# Altium PCB Board.PcbDoc (part 8 of 15)
Units mil, origin at the board's own origin, x right, y up, seen from the top; angles counter-clockwise.
Board outline 6379.64 x 4143.89 mil, 4 copper layers (Top Layer, GND, VCC, Bottom Layer); 316 components, 199 nets, 1077 pads, 596 vias.
Unrouted connection lines stored in the file: 268.
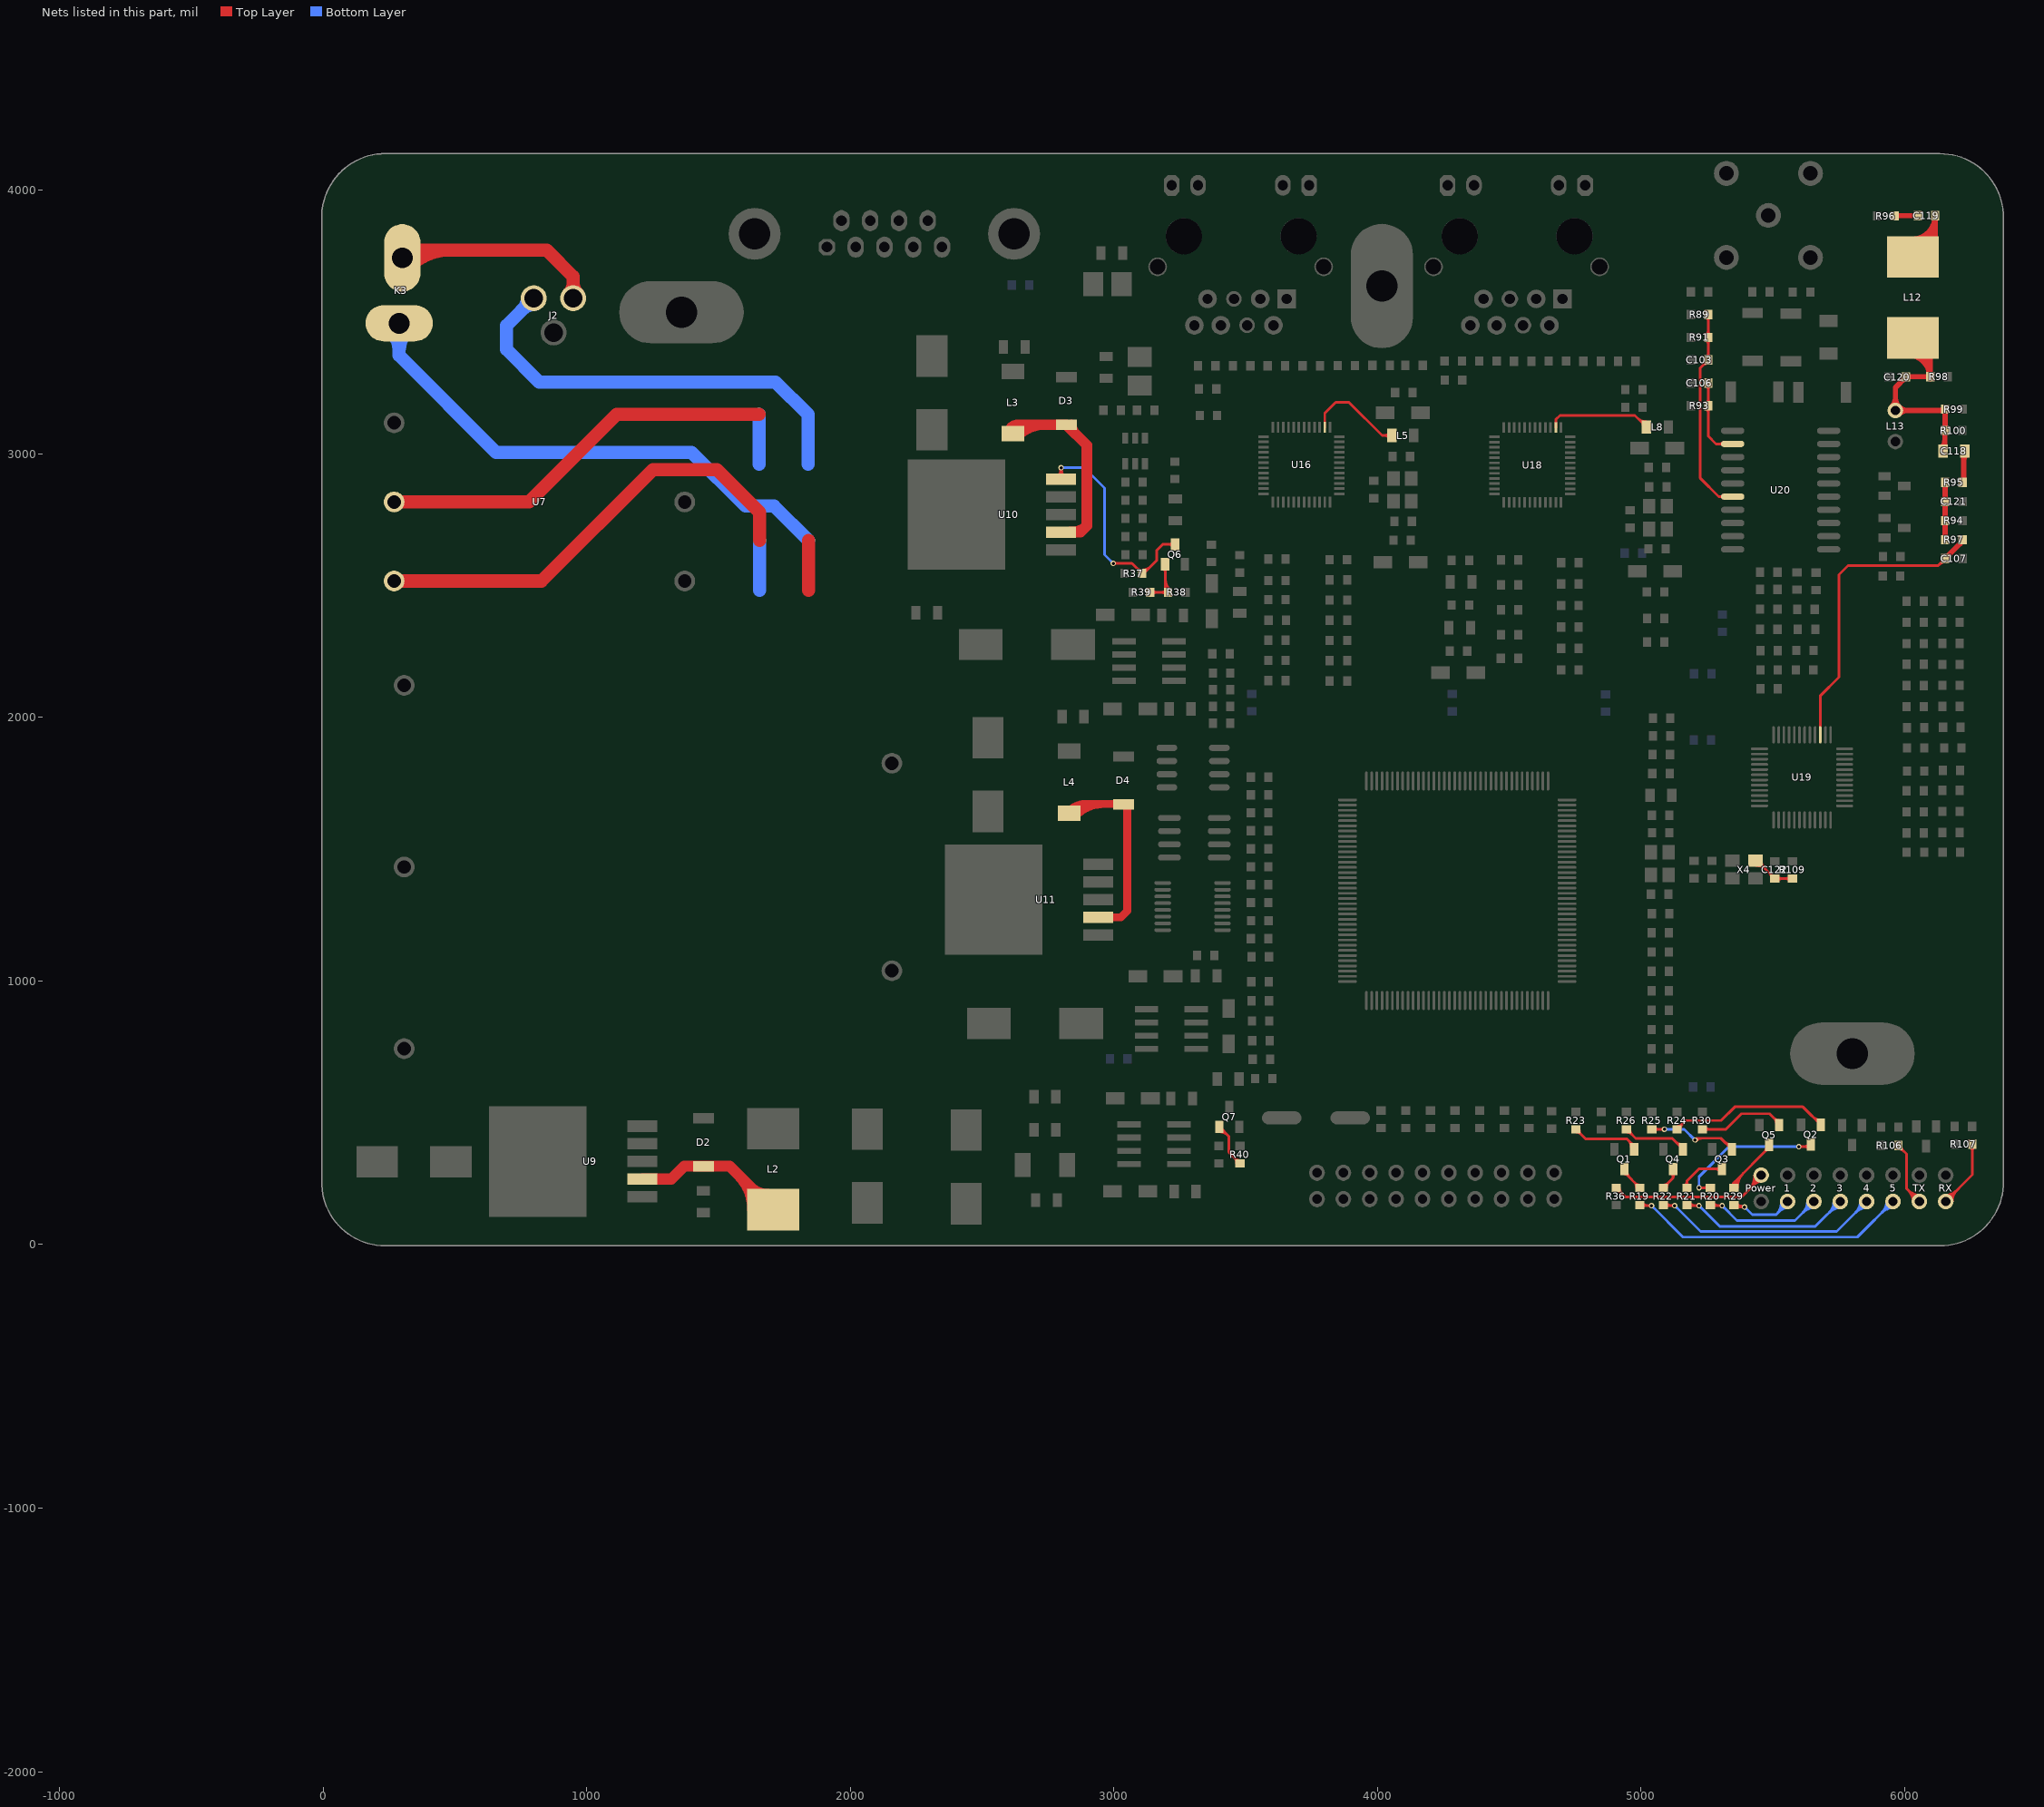
[diagram p9: the nets of this part, all layers, seen from the top]

## Via types
v1: diameter 20, hole 12, Top Layer to Bottom Layer, 590 vias
v2: diameter 30, hole 17, Top Layer to Bottom Layer, 6 vias

## Nets (pads, with @x,y where several pads share a name; then routed paths per layer and width w, separated by ;. In a path a pad name is that pad's centre, name@x,y a point inside that pad or via, vN(x,y) a via of type N, cw(c..) or ccw(c..) an arc to the next point about the centre after c; other vN are vias at no path point) (continued)
NetC103_1: C103.1 R89.1 R91.2 U20.5 | length 1474.3
  Top Layer w10: R89.1@5254.6,3528.61 C103.1@5254.6,3355.81 5224.6,3325.81 5224.6,2907.45 5294.6,2837.45 U20.5@5347.43,2837.45 ; 5232.89,3334.1 cw(c5254.6,3312.39) C103.1@5254.6,3343.09 ; 5232.89,3334.1 cw(c5254.6,3312.39) C103.1@5254.6,3343.09 ; 5232.89,3334.1 cw(c5254.6,3312.39) C103.1@5254.6,3343.09 ; 5237.64,3338.85 ccw(c5222.65,3353.84) C103.1@5243.85,3353.84 ; 5237.64,3338.85 ccw(c5222.65,3353.84) C103.1@5243.85,3353.84 ; 5237.64,3338.85 ccw(c5222.65,3353.84) C103.1@5243.85,3353.84 ; C103.1@5247,3365.38 ccw(c5228.65,3383.72) 5254.6,3383.72 ; C103.1@5247,3365.38 ccw(c5228.65,3383.72) 5254.6,3383.72 ; C103.1@5247,3365.38 ccw(c5228.65,3383.72) 5254.6,3383.72 ; R89.1@5247,3519.04 cw(c5228.65,3500.69) 5254.6,3500.69 ; R89.1@5247,3519.04 cw(c5228.65,3500.69) 5254.6,3500.69 ; R89.1@5247,3519.04 cw(c5228.65,3500.69) 5254.6,3500.69 ; R91.2@5247.15,3432.08 cw(c5229.16,3414.09) 5254.6,3414.09 ; R91.2@5247.15,3432.08 cw(c5229.16,3414.09) 5254.6,3414.09 ; R91.2@5247.15,3432.08 cw(c5229.16,3414.09) 5254.6,3414.09 ; R91.2@5247.15,3451.22 ccw(c5229.16,3469.2) 5254.6,3469.2 ; R91.2@5247.15,3451.22 ccw(c5229.16,3469.2) 5254.6,3469.2 ; R91.2@5247.15,3451.22 ccw(c5229.16,3469.2) 5254.6,3469.2 ; 5254.6,3383.72 ccw(c5280.55,3383.72) C103.1@5262.2,3365.38 ; 5254.6,3383.72 ccw(c5280.55,3383.72) C103.1@5262.2,3365.38 ; 5254.6,3383.72 ccw(c5280.55,3383.72) C103.1@5262.2,3365.38 ; 5254.6,3413.37 cw(c5281.06,3413.37) R91.2@5262.35,3432.08 ; 5254.6,3413.37 cw(c5281.06,3413.37) R91.2@5262.35,3432.08 ; 5254.6,3413.37 cw(c5281.06,3413.37) R91.2@5262.35,3432.08 ; 5254.6,3469.93 ccw(c5281.06,3469.93) R91.2@5262.35,3451.22 ; 5254.6,3469.93 ccw(c5281.06,3469.93) R91.2@5262.35,3451.22 ; 5254.6,3469.93 ccw(c5281.06,3469.93) R91.2@5262.35,3451.22 ; 5254.6,3500.69 cw(c5280.55,3500.69) R89.1@5262.2,3519.04 ; 5254.6,3500.69 cw(c5280.55,3500.69) R89.1@5262.2,3519.04 ; 5254.6,3500.69 cw(c5280.55,3500.69) R89.1@5262.2,3519.04 ; 5298.5,2837.45 cw(c5298.5,2821.01) U20.5@5310.13,2832.63 ; 5298.5,2837.45 ccw(c5298.5,2853.89) U20.5@5310.13,2842.26 ; 5298.5,2837.45 cw(c5298.5,2821.01) U20.5@5310.13,2832.63 ; 5298.5,2837.45 ccw(c5298.5,2853.89) U20.5@5310.13,2842.26 ; 5298.5,2837.45 ccw(c5298.5,2853.89) U20.5@5310.13,2842.26 ; 5298.5,2837.45 cw(c5298.5,2821.01) U20.5@5310.13,2832.63
NetC106_2: C106.2 R93.2 U20.9 | length 750.9
  Top Layer w10: C106.2@5254.75,3268.85 R93.2@5254.75,3182.45 5254.75,3067.3 5284.6,3037.45 U20.9@5347.43,3037.45 ; R93.2@5247.15,3172.88 cw(c5228.8,3154.53) 5254.75,3154.53 ; R93.2@5247.15,3172.88 cw(c5228.8,3154.53) 5254.75,3154.53 ; R93.2@5247.15,3172.88 cw(c5228.8,3154.53) 5254.75,3154.53 ; R93.2@5247.15,3192.02 ccw(c5228.8,3210.37) 5254.75,3210.37 ; R93.2@5247.15,3192.02 ccw(c5228.8,3210.37) 5254.75,3210.37 ; R93.2@5247.15,3192.02 ccw(c5228.8,3210.37) 5254.75,3210.37 ; C106.2@5247.15,3259.28 cw(c5228.8,3240.93) 5254.75,3240.93 ; C106.2@5247.15,3259.28 cw(c5228.8,3240.93) 5254.75,3240.93 ; C106.2@5247.15,3259.28 cw(c5228.8,3240.93) 5254.75,3240.93 ; 5254.75,3154.53 cw(c5280.7,3154.53) R93.2@5262.35,3172.88 ; 5254.75,3154.53 cw(c5280.7,3154.53) R93.2@5262.35,3172.88 ; 5254.75,3154.53 cw(c5280.7,3154.53) R93.2@5262.35,3172.88 ; 5254.75,3210.37 ccw(c5280.7,3210.37) R93.2@5262.35,3192.02 ; 5254.75,3210.37 ccw(c5280.7,3210.37) R93.2@5262.35,3192.02 ; 5254.75,3210.37 ccw(c5280.7,3210.37) R93.2@5262.35,3192.02 ; 5254.75,3240.93 cw(c5280.7,3240.93) C106.2@5262.35,3259.28 ; 5254.75,3240.93 cw(c5280.7,3240.93) C106.2@5262.35,3259.28 ; 5254.75,3240.93 cw(c5280.7,3240.93) C106.2@5262.35,3259.28 ; 5298.5,3037.45 cw(c5298.5,3021.01) U20.9@5310.13,3032.63 ; 5298.5,3037.45 ccw(c5298.5,3053.89) U20.9@5310.13,3042.26 ; 5298.5,3037.45 cw(c5298.5,3021.01) U20.9@5310.13,3032.63 ; 5298.5,3037.45 ccw(c5298.5,3053.89) U20.9@5310.13,3042.26 ; 5298.5,3037.45 ccw(c5298.5,3053.89) U20.9@5310.13,3042.26 ; 5298.5,3037.45 cw(c5298.5,3021.01) U20.9@5310.13,3032.63
NetC107_2: C107.2 R97.2 U19.3 | length 1383.6
  Top Layer w10: U19.3@5679.5,1933.87 5679.5,2081.35 5750.6,2152.45 5750.6,2541.45 5784.6,2575.45 6126.6,2575.45 C107.2@6153.6,2602.45 ; 6131.89,2580.74 cw(c6153.6,2559.03) C107.2@6153.6,2589.73 ; 6131.89,2580.74 cw(c6153.6,2559.03) C107.2@6153.6,2589.73 ; 6131.89,2580.74 cw(c6153.6,2559.03) C107.2@6153.6,2589.73 ; 6136.64,2585.49 ccw(c6121.65,2600.48) C107.2@6142.85,2600.48 ; 6136.64,2585.49 ccw(c6121.65,2600.48) C107.2@6142.85,2600.48 ; 6136.64,2585.49 ccw(c6121.65,2600.48) C107.2@6142.85,2600.48
  Top Layer w20: C107.2@6153.6,2602.45 6219.75,2668.6 R97.2@6219.75,2674.14 ; C107.2@6153.6,2610.17 ccw(c6153.6,2628.79) C107.2@6166.77,2615.62 ; C107.2@6153.6,2610.17 ccw(c6153.6,2628.79) C107.2@6166.77,2615.62 ; C107.2@6153.6,2610.17 ccw(c6153.6,2628.79) C107.2@6166.77,2615.62 ; 6207.41,2656.26 ccw(c6191.5,2672.17) R97.2@6214,2672.17 ; 6207.41,2656.26 ccw(c6191.5,2672.17) R97.2@6214,2672.17 ; 6207.41,2656.26 ccw(c6191.5,2672.17) R97.2@6214,2672.17
NetC118_1: C118.1 C120.1 L12.1 L13.2 R98.2 R99.2 R100.2 | length 2752.9
  Top Layer w20: L12.1@6030.6,3439.45 6097.6,3372.45 R98.2@6097.6,3292.45 6005.6,3292.45 C120.1@6004.6,3291.45 5964.6,3251.45 L13.2@5964.6,3164.56 6148.71,3164.56 R99.2@6153.6,3169.45 6153.6,3089.45 R100.2@6152.6,3088.45 6152.6,3017.45 C118.1@6145.6,3010.45 ; 6090.14,3312.86 ccw(c6111.56,3318.6) R98.2@6100.47,3299.4 ; L13.2@5950.79,3178.37 ccw(c5917.45,3211.7) 5964.6,3211.7 ; L13.2@5950.79,3178.37 ccw(c5917.45,3211.7) 5964.6,3211.7 ; L13.2@5950.79,3178.37 ccw(c5917.45,3211.7) 5964.6,3211.7 ; 5964.6,3211.7 ccw(c6011.74,3211.7) L13.2@5978.41,3178.37 ; 5964.6,3211.7 ccw(c6011.74,3211.7) L13.2@5978.41,3178.37 ; 5964.6,3211.7 ccw(c6011.74,3211.7) L13.2@5978.41,3178.37 ; L13.2@5978.41,3150.75 cw(c6011.74,3117.42) 6011.74,3164.56 ; L13.2@5978.41,3150.75 cw(c6011.74,3117.42) 6011.74,3164.56 ; L13.2@5978.41,3150.75 cw(c6011.74,3117.42) 6011.74,3164.56 ; L13.2@5978.41,3178.37 ccw(c6011.74,3211.7) 6011.74,3164.56 ; L13.2@5978.41,3178.37 ccw(c6011.74,3211.7) 6011.74,3164.56 ; L13.2@5978.41,3178.37 ccw(c6011.74,3211.7) 6011.74,3164.56 ; C120.1@5991.43,3278.28 cw(c6004.6,3265.1) C120.1@6004.6,3283.73 ; C120.1@5991.43,3278.28 cw(c6004.6,3265.1) C120.1@6004.6,3283.73 ; C120.1@5991.43,3278.28 cw(c6004.6,3265.1) C120.1@6004.6,3283.73 ; C120.1@6008.66,3297.48 ccw(c6020.81,3309.63) 6020.81,3292.45 ; C120.1@6008.66,3297.48 ccw(c6020.81,3309.63) 6020.81,3292.45 ; C120.1@6008.66,3297.48 ccw(c6020.81,3309.63) 6020.81,3292.45 ; L12.1@6031.17,3373.42 cw(c6005.57,3285.03) R98.2@6097.6,3285.03 ; L12.1@6031.17,3373.42 cw(c6005.57,3285.03) R98.2@6097.6,3285.03 ; L12.1@6031.17,3373.42 cw(c6005.57,3285.03) R98.2@6097.6,3285.03 ; L12.1@6036.73,3392.63 cw(c6013.28,3311.64) 6097.6,3311.64 ; L12.1@6036.73,3392.63 cw(c6013.28,3311.64) 6097.6,3311.64 ; L12.1@6036.73,3392.63 cw(c6013.28,3311.64) 6097.6,3311.64 ; L12.1@6042.29,3411.84 cw(c6020.98,3338.25) 6097.6,3338.25 ; L12.1@6042.29,3411.84 cw(c6020.98,3338.25) 6097.6,3338.25 ; L12.1@6042.29,3411.84 cw(c6020.98,3338.25) 6097.6,3338.25 ; L12.1@6047.85,3431.05 cw(c6028.69,3364.86) L12.1@6097.6,3364.86 ; L12.1@6047.85,3431.05 cw(c6028.69,3364.86) L12.1@6097.6,3364.86 ; L12.1@6047.85,3431.05 cw(c6028.69,3364.86) L12.1@6097.6,3364.86 ; 6132.67,3164.56 ccw(c6132.67,3188.41) R99.2@6149.53,3171.54 ; 6132.67,3164.56 ccw(c6132.67,3188.41) R99.2@6149.53,3171.54 ; 6132.67,3164.56 ccw(c6132.67,3188.41) R99.2@6149.53,3171.54 ; C118.1@6140.14,3023.78 ccw(c6110.07,3053.85) 6152.6,3053.85 ; C118.1@6140.14,3023.78 ccw(c6110.07,3053.85) 6152.6,3053.85 ; C118.1@6140.14,3023.78 ccw(c6110.07,3053.85) 6152.6,3053.85 ; R100.2@6148.53,3094.48 ccw(c6136.31,3106.71) 6153.6,3106.71 ; R100.2@6148.53,3094.48 ccw(c6136.31,3106.71) 6153.6,3106.71 ; R100.2@6148.53,3094.48 ccw(c6136.31,3106.71) 6153.6,3106.71
NetC118_2: C118.2 R95.1 | length 269
  Top Layer w20: R95.1@6219.6,2891.45 6223.6,2895.45 6223.6,3005.77 C118.2@6228.28,3010.45 ; R95.1@6215.53,2897.48 ccw(c6196.06,2916.95) 6223.6,2916.95 ; R95.1@6215.53,2897.48 ccw(c6196.06,2916.95) 6223.6,2916.95 ; R95.1@6215.53,2897.48 ccw(c6196.06,2916.95) 6223.6,2916.95 ; 6223.6,2972.65 cw(c6258.2,2972.65) C118.2@6233.73,2997.12 ; 6223.6,2972.65 cw(c6258.2,2972.65) C118.2@6233.73,2997.12 ; 6223.6,2972.65 cw(c6258.2,2972.65) C118.2@6233.73,2997.12
NetC119_1: C119.1 R96.1 | length 128.9
  Top Layer w20: R96.1@5961.6,3902.45 5962.6,3903.45 C119.1@6049.6,3903.45 ; R96.1@5965.66,3908.48 ccw(c5977.81,3920.63) 5977.81,3903.45 ; R96.1@5965.66,3908.48 ccw(c5977.81,3920.63) 5977.81,3903.45 ; R96.1@5965.66,3908.48 ccw(c5977.81,3920.63) 5977.81,3903.45
NetC119_2: C119.2 L12.2 | length 2102
  Top Layer w20: L12.2@6030.6,3746.54 6115.6,3831.54 ; L12.2@6039.55,3814.43 ccw(c6025.48,3903.44) C119.2@6115.6,3903.45 ; L12.2@6039.55,3814.43 ccw(c6025.48,3903.44) C119.2@6115.6,3903.45 ; L12.2@6039.55,3814.43 ccw(c6025.48,3903.44) C119.2@6115.6,3903.45 ; L12.2@6042.67,3794.68 ccw(c6029.18,3880.03) 6115.6,3880.03 ; L12.2@6042.67,3794.68 ccw(c6029.18,3880.03) 6115.6,3880.03 ; L12.2@6042.67,3794.68 ccw(c6029.18,3880.03) 6115.6,3880.03 ; L12.2@6045.8,3774.92 ccw(c6032.88,3856.62) 6115.6,3856.62 ; L12.2@6045.8,3774.92 ccw(c6032.88,3856.62) 6115.6,3856.62 ; L12.2@6045.8,3774.92 ccw(c6032.88,3856.62) 6115.6,3856.62 ; L12.2@6048.92,3755.17 ccw(c6036.58,3833.22) 6115.6,3833.22 ; L12.2@6048.92,3755.17 ccw(c6036.58,3833.22) 6115.6,3833.22 ; L12.2@6048.92,3755.17 ccw(c6036.58,3833.22) 6115.6,3833.22 ; L12.2@6061.71,3814.32 ccw(c6071.97,3875.16) 6115.59,3831.53 ; L12.2@6061.71,3814.32 ccw(c6071.97,3875.16) 6115.59,3831.53 ; L12.2@6061.71,3814.32 ccw(c6071.97,3875.16) 6115.59,3831.53 ; L12.2@6092.17,3771.45 cw(c6121.73,3789.03) L12.2@6097.41,3813.35 ; L12.2@6092.17,3771.45 cw(c6121.73,3789.03) L12.2@6097.41,3813.35 ; L12.2@6092.17,3771.45 cw(c6121.73,3789.03) L12.2@6097.41,3813.35 ; L12.2@6109.36,3781.68 cw(c6144.53,3802.6) 6115.6,3831.53 ; L12.2@6109.36,3781.68 cw(c6144.53,3802.6) 6115.6,3831.53 ; L12.2@6109.36,3781.68 cw(c6144.53,3802.6) 6115.6,3831.53 ; 6115.6,3831.54 C119.2@6115.6,3903.45
NetC121_1: C121.1 R94.1 R95.2 R97.1 | length 217.4
  Top Layer w20: R95.2@6153.6,2891.45 6153.6,2674.29 R97.1@6153.75,2674.14
NetC122_1: C122.1 R109.2 X4.3 | length 811.6
  Top Layer w10: X4.3@5433.21,1456.38 5439.67,1456.38 C122.1@5507.6,1388.45 R109.2@5574.6,1388.45 ; X4.3@5437.15,1437.76 cw(c5437.15,1386.72) 5473.24,1422.81 ; X4.3@5437.15,1437.76 cw(c5437.15,1386.72) 5473.24,1422.81 ; X4.3@5437.15,1437.76 cw(c5437.15,1386.72) 5473.24,1422.81 ; X4.3@5437.15,1447.76 cw(c5437.15,1420.86) X4.3@5456.17,1439.88 ; X4.3@5437.15,1447.76 cw(c5437.15,1420.86) X4.3@5456.17,1439.88 ; X4.3@5437.15,1447.76 cw(c5437.15,1420.86) X4.3@5456.17,1439.88 ; X4.3@5455.77,1456.38 ccw(c5494.65,1456.38) 5467.16,1428.89 ; X4.3@5455.77,1456.38 ccw(c5494.65,1456.38) 5467.16,1428.89 ; X4.3@5455.77,1456.38 ccw(c5494.65,1456.38) 5467.16,1428.89 ; 5485.89,1410.16 cw(c5464.18,1388.45) C122.1@5494.88,1388.45 ; 5485.89,1410.16 cw(c5464.18,1388.45) C122.1@5494.88,1388.45 ; 5485.89,1410.16 cw(c5464.18,1388.45) C122.1@5494.88,1388.45 ; 5490.64,1405.4 ccw(c5505.63,1420.39) C122.1@5505.63,1399.2 ; 5490.64,1405.4 ccw(c5505.63,1420.39) C122.1@5505.63,1399.2 ; 5490.64,1405.4 ccw(c5505.63,1420.39) C122.1@5505.63,1399.2 ; C122.1@5517.17,1380.85 cw(c5535.51,1362.5) 5535.51,1388.45 ; C122.1@5517.17,1380.85 cw(c5535.51,1362.5) 5535.51,1388.45 ; C122.1@5517.17,1380.85 cw(c5535.51,1362.5) 5535.51,1388.45 ; C122.1@5517.17,1396.05 ccw(c5535.51,1414.4) 5535.51,1388.45 ; C122.1@5517.17,1396.05 ccw(c5535.51,1414.4) 5535.51,1388.45 ; C122.1@5517.17,1396.05 ccw(c5535.51,1414.4) 5535.51,1388.45 ; 5546.68,1388.45 cw(c5546.68,1362.5) R109.2@5565.03,1380.85 ; 5546.68,1388.45 ccw(c5546.68,1414.4) R109.2@5565.03,1396.05 ; 5546.68,1388.45 cw(c5546.68,1362.5) R109.2@5565.03,1380.85 ; 5546.68,1388.45 ccw(c5546.68,1414.4) R109.2@5565.03,1396.05 ; 5546.68,1388.45 ccw(c5546.68,1414.4) R109.2@5565.03,1396.05 ; 5546.68,1388.45 cw(c5546.68,1362.5) R109.2@5565.03,1380.85
NetD2_2: D2.2 L2.1 U9.2 | length 1241.5
  Top Layer w42: U9.2@1211.6,248.38 1321.53,248.38 1370.5,297.35 D2.2@1443.6,297.35 1542.7,297.35 L2.1@1707.6,132.45 ; 1575.43,264.62 cw(c1443.25,132.45) L2.1@1630.17,132.45 ; 1575.43,264.62 cw(c1443.25,132.45) L2.1@1630.17,132.45 ; 1575.43,264.62 cw(c1443.25,132.45) L2.1@1630.17,132.45 ; 1622.95,217.1 ccw(c1687.91,282.06) L2.1@1687.91,190.19 ; 1622.95,217.1 ccw(c1687.91,282.06) L2.1@1687.91,190.19 ; 1622.95,217.1 ccw(c1687.91,282.06) L2.1@1687.91,190.19
NetD3_2: D3.2 L3.1 U10.2 | length 1589.6
  Top Layer w40: L3.1@2616.6,3076.45 2650.5,3110.35 ; U10.2@2799.6,2702.38 2873.53,2702.38 2897.6,2726.45 ; L3.1@2608.83,3098 cw(c2638.65,3068.18) 2638.65,3110.35 ; L3.1@2608.83,3098 cw(c2638.65,3068.18) 2638.65,3110.35 ; L3.1@2608.83,3098 cw(c2638.65,3068.18) 2638.65,3110.35 ; L3.1@2637.11,3069.71 cw(c2735.22,2971.61) 2735.22,3110.35 ; L3.1@2637.11,3069.71 cw(c2735.22,2971.61) 2735.22,3110.35 ; L3.1@2637.11,3069.71 cw(c2735.22,2971.61) 2735.22,3110.35 ; L3.1@2639.8,3077.86 cw(c2677.33,3083.51) 2650.49,3110.35 ; L3.1@2639.8,3077.86 cw(c2677.33,3083.51) 2650.49,3110.35 ; L3.1@2639.8,3077.86 cw(c2677.33,3083.51) 2650.49,3110.35 ; 2650.5,3110.35 D3.2@2819.6,3110.35 2897.6,3032.35 2897.6,2726.45 ; U10.2@2835.19,2704.02 ccw(c2842.61,2781.44) 2897.6,2726.45 ; U10.2@2835.19,2704.02 ccw(c2842.61,2781.44) 2897.6,2726.45 ; U10.2@2835.19,2704.02 ccw(c2842.61,2781.44) 2897.6,2726.45 ; D3.2@2838.97,3110.35 ccw(c2885.73,3110.35) 2852.67,3077.28 ; D3.2@2838.97,3110.35 ccw(c2885.73,3110.35) 2852.67,3077.28 ; D3.2@2838.97,3110.35 ccw(c2885.73,3110.35) 2852.67,3077.28
NetD4_2: D4.2 L4.1 U11.2 | length 1542.7
  Top Layer w30: L4.1@2847.6,1636.45 2882.5,1671.35 3054.6,1671.35 3050.6,1667.35 3050.6,1265.45 3026.53,1241.38 U11.2@2940.6,1241.38 ; L4.1@2833.44,1647.39 cw(c2891.27,1589.55) 2891.27,1671.35 ; L4.1@2833.44,1647.39 cw(c2891.27,1589.55) 2891.27,1671.35 ; L4.1@2833.44,1647.39 cw(c2891.27,1589.55) 2891.27,1671.35 ; L4.1@2844.38,1650.98 ccw(c2844.38,1693.82) 2874.68,1663.53 ; L4.1@2844.38,1650.98 ccw(c2844.38,1693.82) 2874.68,1663.53 ; L4.1@2844.38,1650.98 ccw(c2844.38,1693.82) 2874.68,1663.53 ; L4.1@2854.65,1626.18 cw(c2963.7,1517.13) 2963.7,1671.35 ; L4.1@2854.65,1626.18 cw(c2963.7,1517.13) 2963.7,1671.35 ; L4.1@2854.65,1626.18 cw(c2963.7,1517.13) 2963.7,1671.35 ; L4.1@2858.91,1636.45 cw(c2886.2,1636.45) L4.1@2866.9,1655.75 ; L4.1@2858.91,1636.45 cw(c2886.2,1636.45) L4.1@2866.9,1655.75 ; L4.1@2858.91,1636.45 cw(c2886.2,1636.45) L4.1@2866.9,1655.75 ; 3050.6,1645.31 cw(c3081.32,1645.31) D4.2@3059.6,1667.03 ; 3050.6,1645.31 cw(c3081.32,1645.31) D4.2@3059.6,1667.03 ; 3050.6,1645.31 cw(c3081.32,1645.31) D4.2@3059.6,1667.03
NetJ2_1: J2.1 K3.1 | length 1542.4
  Top Layer w50: K3.1@300.6,3743.45 329.6,3772.45 848.6,3772.45 949.02,3672.03 J2.1@949.02,3590.16 ; K3.1@331.64,3712.41 cw(c476.59,3567.46) 476.59,3772.45 ; K3.1@331.64,3712.41 cw(c476.59,3567.46) 476.59,3772.45 ; K3.1@331.64,3712.41 cw(c476.59,3567.46) 476.59,3772.45 ; J2.1@931.89,3607.28 ccw(c890.56,3648.61) 949.02,3648.61 ; J2.1@931.89,3607.28 ccw(c890.56,3648.61) 949.02,3648.61 ; J2.1@931.89,3607.28 ccw(c890.56,3648.61) 949.02,3648.61 ; 949.02,3648.61 ccw(c1007.47,3648.61) J2.1@966.14,3607.28 ; 949.02,3648.61 ccw(c1007.47,3648.61) J2.1@966.14,3607.28 ; 949.02,3648.61 ccw(c1007.47,3648.61) J2.1@966.14,3607.28
NetJ2_2: J2.2 | length 1763
  Bottom Layer w50: J2.2@775.2,3590.16 cw(c716.74,3590.16) 758.08,3548.82 cw(c799.41,3507.49) J2.2@799.41,3565.94 ; J2.2@799.41,3590.16 696.6,3487.35 696.6,3395.45 819.6,3272.45 1716.64,3272.45 1839.64,3149.45 1839.64,2960.47
NetK2_1: U7.3 | length 1925.3
  Top Layer w50: U7.3@269.6,2517.45 828.6,2517.45 1251.6,2940.45 1494.6,2940.45 1656.6,2778.45 1656.6,2671.45
  Bottom Layer w50: 1656.6,2482.47 1656.6,2671.45
NetK2_2: K3.2 | length 2321.2
  Top Layer w50: 1841.64,2482.47 1841.64,2671.45
  Bottom Layer w50: K3.2@257.75,3464.38 cw(c182.81,3389.44) 288.79,3389.44 cw(c394.77,3389.44) K3.2@319.83,3464.38 ; K3.2@288.79,3495.42 288.79,3373.26 656.6,3005.45 1398.6,3005.45 1602.6,2801.45 1711.64,2801.45 1841.64,2671.45
NetK4_1: U7.2 | length 1711.5
  Top Layer w50: U7.2@269.6,2817.45 781.6,2817.45 1113.6,3149.45 1654.6,3149.45
  Bottom Layer w50: 1654.6,2960.47 1654.6,3149.45
NetL5_1: L5.1 U16.14 | length 521.7
  Top Layer w10: U16.14@3800.18,3100.72 3800.18,3154.03 3841.6,3195.45 3891.6,3195.45 4017.6,3069.45 L5.1@4054.6,3069.45 ; 4023.9,3069.45 cw(c4023.9,3038.75) L5.1@4045.61,3060.46 ; 4023.9,3069.45 ccw(c4023.9,3100.15) L5.1@4045.61,3078.44 ; 4023.9,3069.45 cw(c4023.9,3038.75) L5.1@4045.61,3060.46 ; 4023.9,3069.45 ccw(c4023.9,3100.15) L5.1@4045.61,3078.44 ; 4023.9,3069.45 ccw(c4023.9,3100.15) L5.1@4045.61,3078.44 ; 4023.9,3069.45 cw(c4023.9,3038.75) L5.1@4045.61,3060.46
NetL8_1: L8.1 U18.14 | length 604.5
  Top Layer w10: U18.14@4676.18,3099.72 4676.18,3130.03 4691.88,3145.73 4976.31,3145.73 L8.1@5020.6,3101.45 ; 4985.45,3136.6 ccw(c5020.6,3171.75) L8.1@5020.6,3122.04 ; 4985.45,3136.6 ccw(c5020.6,3171.75) L8.1@5020.6,3122.04 ; 4985.45,3136.6 ccw(c5020.6,3171.75) L8.1@5020.6,3122.04 ; 5002.52,3119.53 ccw(c5020.6,3137.61) L8.1@5020.6,3112.04 ; 5002.52,3119.53 ccw(c5020.6,3137.61) L8.1@5020.6,3112.04 ; 5002.52,3119.53 ccw(c5020.6,3137.61) L8.1@5020.6,3112.04 ; L8.1@5004.46,3117.59 cw(c4996.19,3109.32) L8.1@5007.88,3109.32 ; L8.1@5004.46,3117.59 cw(c4996.19,3109.32) L8.1@5007.88,3109.32 ; L8.1@5004.46,3117.59 cw(c4996.19,3109.32) L8.1@5007.88,3109.32
NetLED1_2: 5.2 R19.2 | length 1744.2
  Top Layer w10: R19.2@4997,147.45 v1(5039.6,147.45) ; R19.2@5004.57,141.85 cw(c5018.09,128.33) 5018.09,147.45 ; R19.2@5004.57,141.85 cw(c5018.09,128.33) 5018.09,147.45 ; R19.2@5004.57,141.85 cw(c5018.09,128.33) 5018.09,147.45 ; R19.2@5004.57,157.05 ccw(c5027.74,180.23) 5027.74,147.45 ; R19.2@5004.57,157.05 ccw(c5027.74,180.23) 5027.74,147.45 ; R19.2@5004.57,157.05 ccw(c5027.74,180.23) 5027.74,147.45 ; 5027.53,147.45 cw(c5027.53,135.38) v1@5036.06,143.91 ; 5027.53,147.45 ccw(c5027.53,159.52) v1@5036.06,150.98 ; 5027.53,147.45 cw(c5027.53,135.38) v1@5036.06,143.91 ; 5027.53,147.45 ccw(c5027.53,159.52) v1@5036.06,150.98 ; 5027.53,147.45 ccw(c5027.53,159.52) v1@5036.06,150.98 ; 5027.53,147.45 cw(c5027.53,135.38) v1@5036.06,143.91
  Bottom Layer w10: v1(5039.6,147.45) 5158.6,28.45 5820.6,28.45 5.2@5955.6,163.45 ; v1@5039.6,142.45 cw(c5039.6,130.38) 5048.13,138.91 ; v1@5039.6,142.45 cw(c5039.6,130.38) 5048.13,138.91 ; v1@5039.6,142.45 cw(c5039.6,130.38) 5048.13,138.91 ; v1@5044.6,147.45 ccw(c5056.67,147.45) 5048.13,138.91 ; v1@5044.6,147.45 ccw(c5056.67,147.45) 5048.13,138.91 ; v1@5044.6,147.45 ccw(c5056.67,147.45) 5048.13,138.91 ; 5913.73,121.58 cw(c5955.6,79.71) 5.2@5955.6,138.92 ; 5913.73,121.58 ccw(c5871.86,163.45) 5.2@5931.07,163.45 ; 5913.73,121.58 cw(c5955.6,79.71) 5.2@5955.6,138.92 ; 5913.73,121.58 ccw(c5871.86,163.45) 5.2@5931.07,163.45 ; 5913.73,121.58 ccw(c5871.86,163.45) 5.2@5931.07,163.45 ; 5913.73,121.58 cw(c5955.6,79.71) 5.2@5955.6,138.92 ; 5930.8,138.65 cw(c5955.6,113.85) 5.2@5955.6,148.92 ; 5930.8,138.65 ccw(c5906,163.45) 5.2@5941.07,163.45 ; 5930.8,138.65 cw(c5955.6,113.85) 5.2@5955.6,148.92 ; 5930.8,138.65 ccw(c5906,163.45) 5.2@5941.07,163.45 ; 5930.8,138.65 ccw(c5906,163.45) 5.2@5941.07,163.45 ; 5930.8,138.65 cw(c5955.6,113.85) 5.2@5955.6,148.92
NetLED2_2: 2.2 R20.2 | length 1126.6
  Top Layer w10: R20.2@5263.2,149.45 5265.2,147.45 v1(5307.6,147.45) ; R20.2@5272.77,141.85 cw(c5286.29,128.33) 5286.29,147.45 ; R20.2@5272.77,141.85 cw(c5286.29,128.33) 5286.29,147.45 ; R20.2@5272.77,141.85 cw(c5286.29,128.33) 5286.29,147.45 ; R20.2@5272.77,157.05 ccw(c5295.94,180.23) 5295.94,147.45 ; R20.2@5272.77,157.05 ccw(c5295.94,180.23) 5295.94,147.45 ; R20.2@5272.77,157.05 ccw(c5295.94,180.23) 5295.94,147.45 ; 5295.53,147.45 cw(c5295.53,135.38) v1@5304.06,143.91 ; 5295.53,147.45 ccw(c5295.53,159.52) v1@5304.06,150.98 ; 5295.53,147.45 cw(c5295.53,135.38) v1@5304.06,143.91 ; 5295.53,147.45 ccw(c5295.53,159.52) v1@5304.06,150.98 ; 5295.53,147.45 ccw(c5295.53,159.52) v1@5304.06,150.98 ; 5295.53,147.45 cw(c5295.53,135.38) v1@5304.06,143.91